# Altium PCB altium_PCB.PcbDoc
Units mm, origin at the board's own origin, x right, y up, seen from the top; angles counter-clockwise.
Board outline 97.16 x 99.31 mm, 2 copper layers (Top Layer, Bottom Layer); 25 components, 15 nets, 135 pads, 2 vias.
Unrouted connection lines stored in the file: 1.
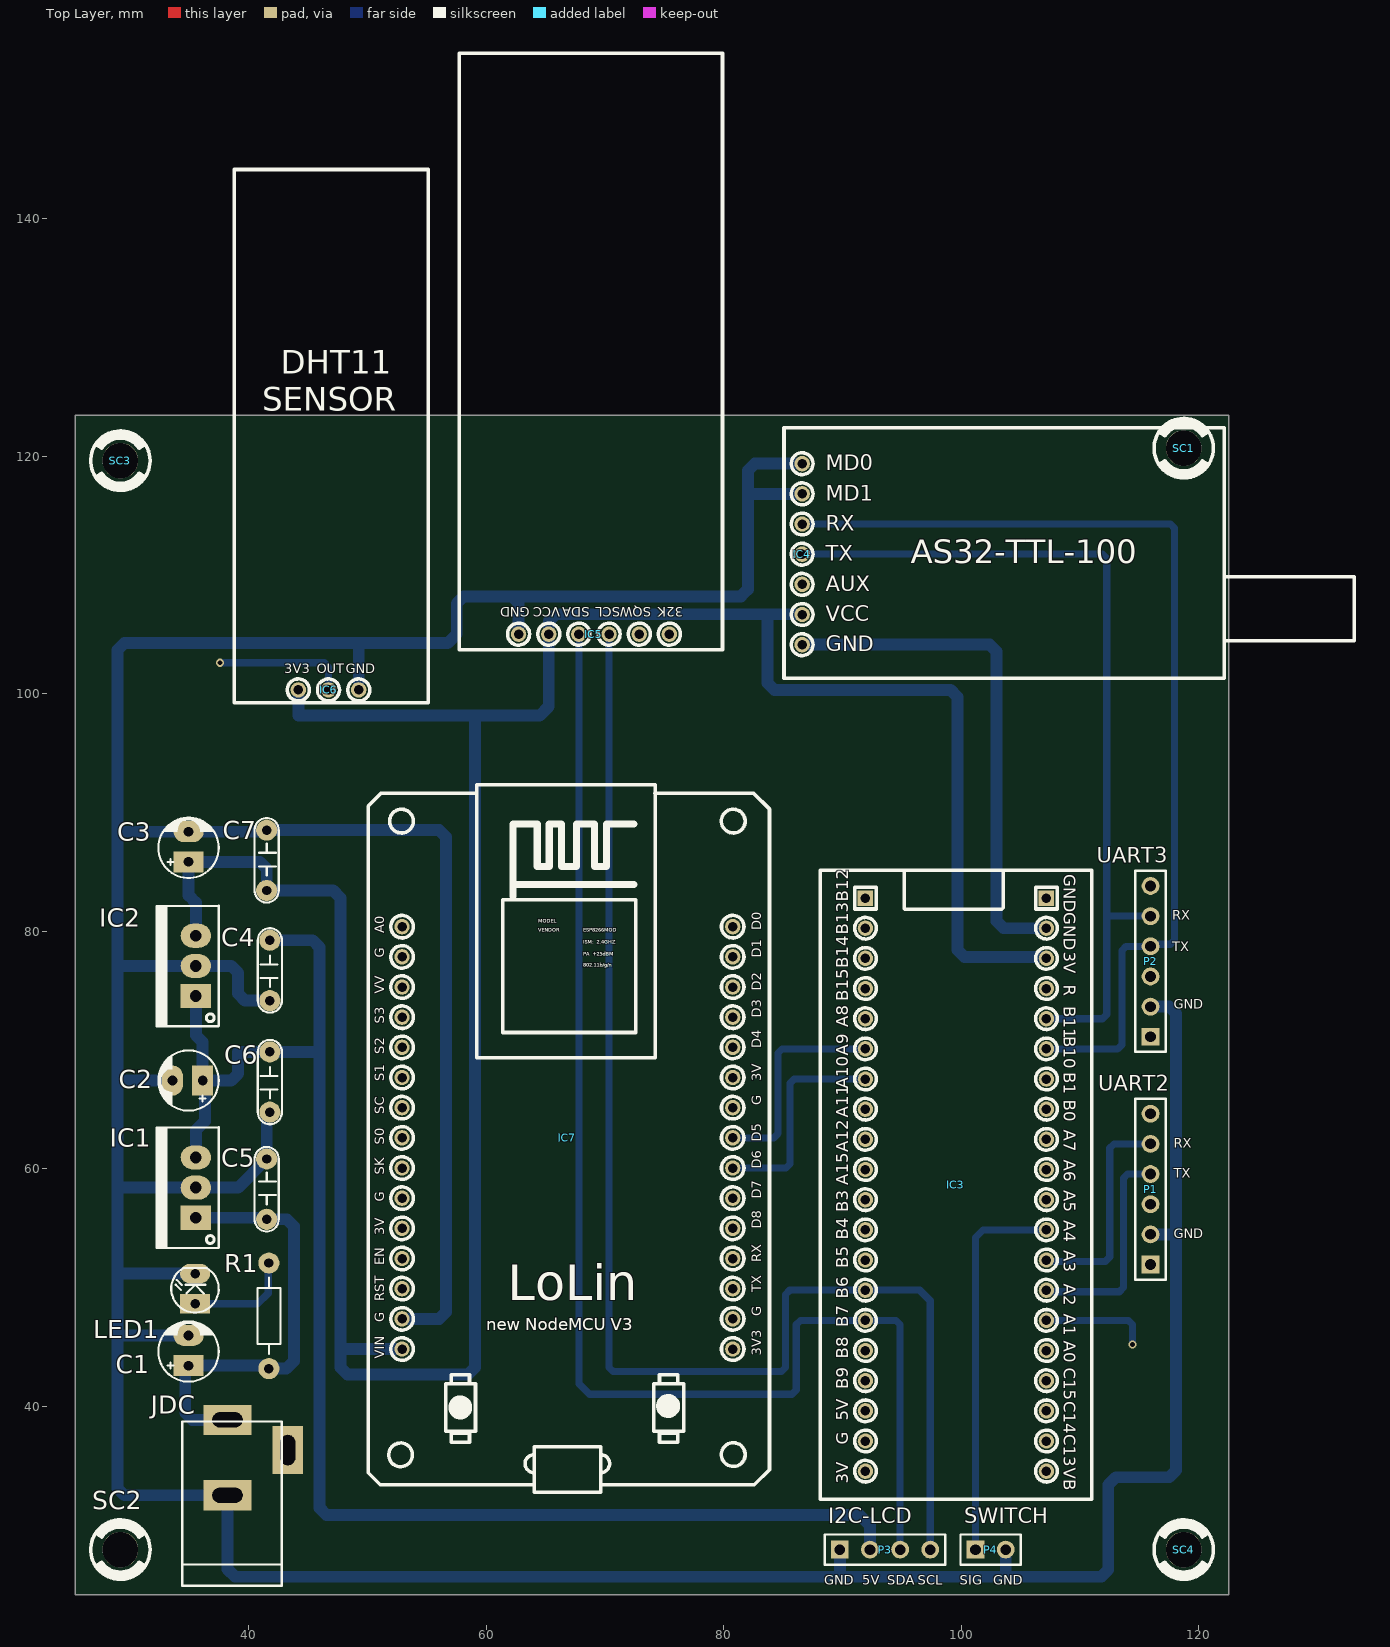
[diagram p0: Top Layer view]
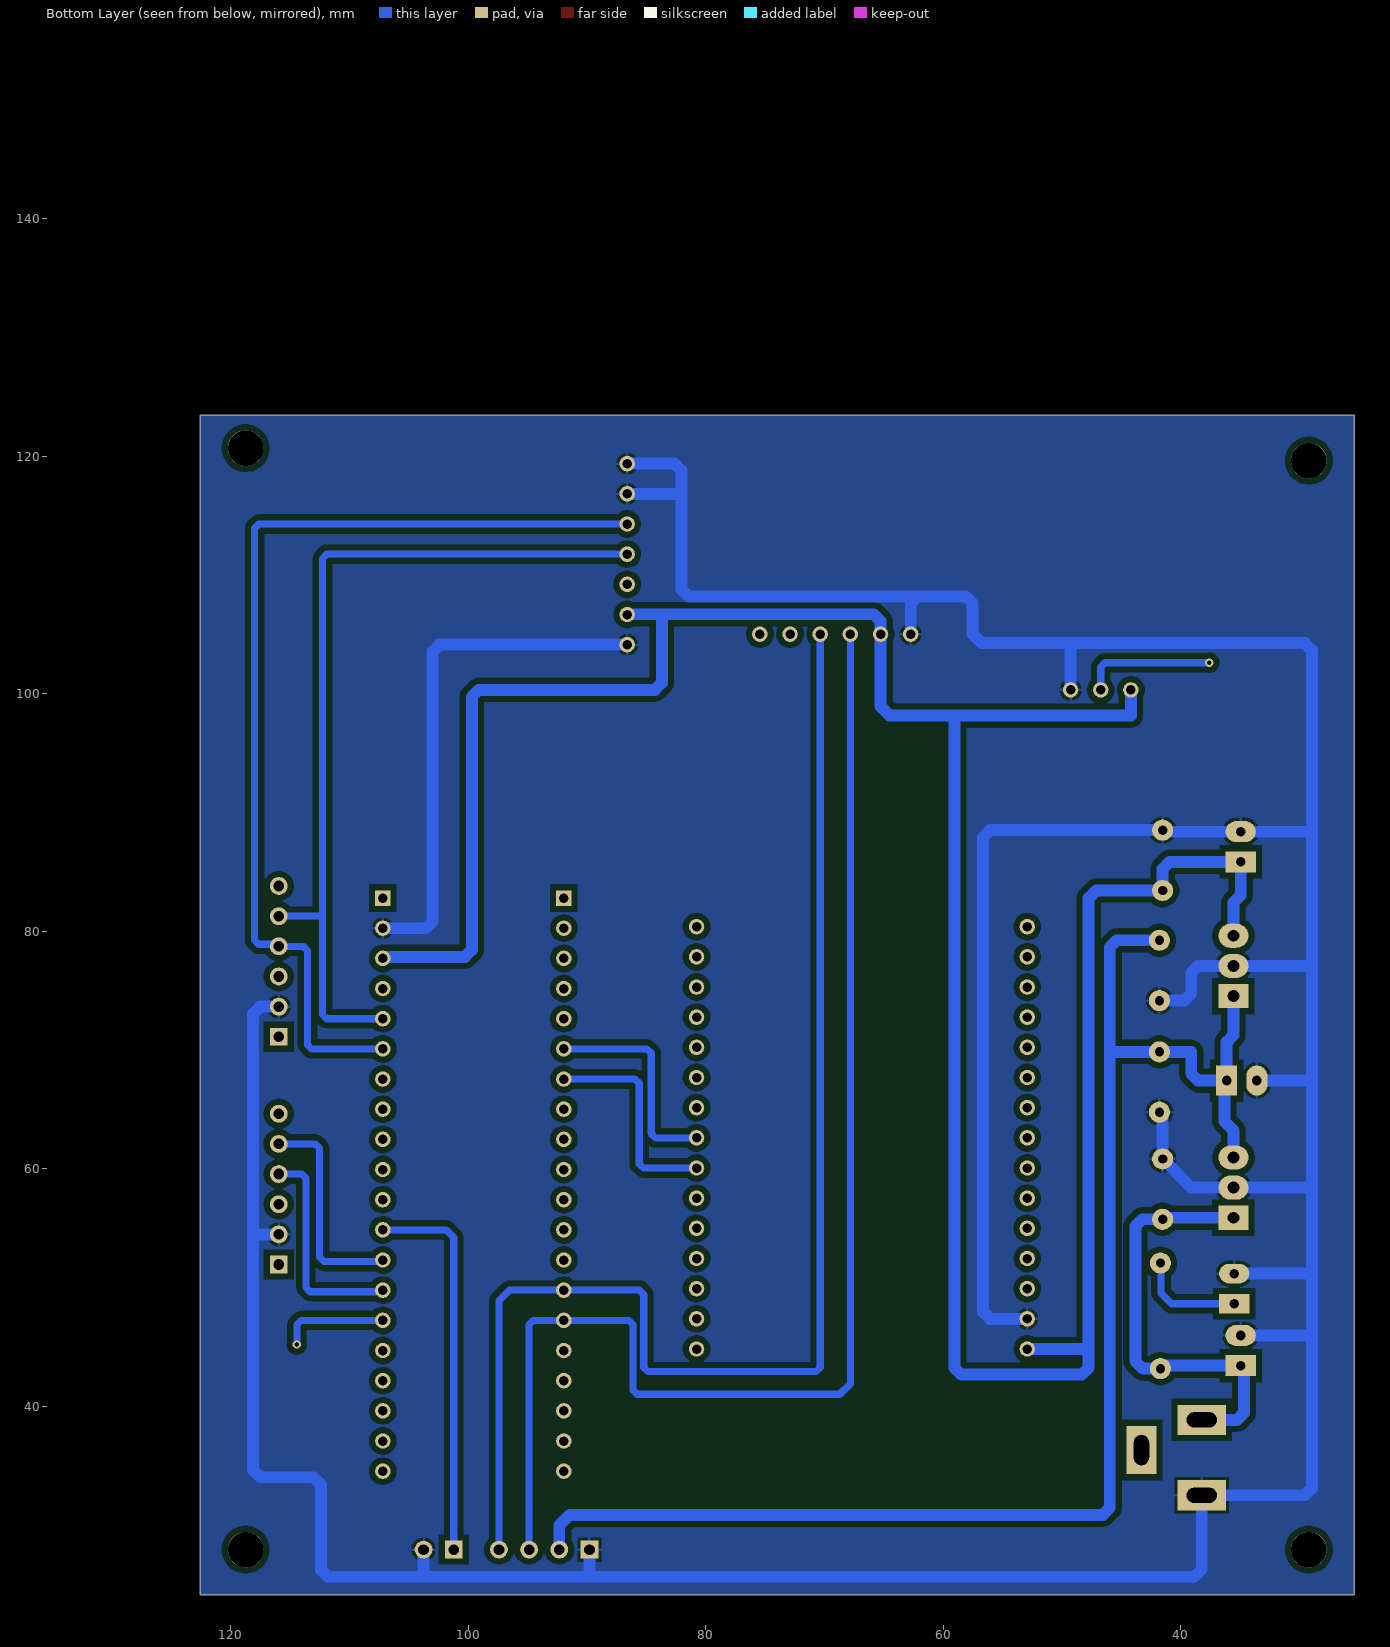
[diagram p1: Bottom Layer view, seen from below]

## Layer stack, top to bottom
Top Solder: solder mask 0.0102, Solder Resist, Dk 3.5
Top Layer: signal copper 0.0356
Dielectric 1: dielectric 0.32, FR-4, Dk 4.8
Bottom Layer: signal copper 0.0356
Bottom Solder: solder mask 0.0102, Solder Resist, Dk 3.5

## Board outline
25.4,24.13 122.555,24.13 122.555,123.444 25.4,123.444

## Design rules (kind name [scope] priority, off if disabled: settings)
Clearance Power [InNetClass('Power')] p1: gap=0.5 ignorepadtopadclearanceinfootprint=FALSE
Clearance [All] p2: gap=0.3 ignorepadtopadclearanceinfootprint=FALSE
PolygonConnect [All] p1: connectstyle=Relief reliefconductorwidth=0.254 reliefentries=4 polygonreliefangle="90 Angle" airgapwidth=0.254
RoutingVias RoutingVias_1 [InNetClass('Power')] p1: holewidth=0.711 width=1.27 viastyle="Through Hole" minholewidth=0.711 minwidth=1.27 maxholewidth=0.711 maxwidth=1.27
RoutingVias [All] p2: holewidth=0.4 width=0.7 viastyle="Through Hole" minholewidth=0.4 minwidth=0.7 maxholewidth=0.4 maxwidth=0.7
SolderMaskExpansion [All] p1: expansion=0.102 istentingtop=FALSE
Width Width_1 [InNetClass('Power')] p1: maxlimit=1 minlimit=0.5 preferedwidth=0.8
Width [All] p2: maxlimit=0.6 minlimit=0.3 preferedwidth=0.5
30 further rules are at their usual default settings.

## Classes and differential pairs
net class Power: 3V3 5V 12V GND

## Components (designator, comment, footprint, x,y, rotation, side; value= is the part's Value field where it differs from the comment)
C1 "10uF" CP1/2 34.95,43.434 r90 top value=10uF/50V
C2 "10uF" CP1/2 36.134,67.437 r180 top value=10uF/50V
C3 "10uF" CP1/2 34.95,85.852 r90 top value=10uF/50V
C4 "104" CN2 41.793,74.168 r90 top value=0.1uF
C5 "104" CN2 41.529,60.833 r270 top value=0.1uF
C6 "104" CN2 41.793,64.77 r90 top value=0.1uF
C7 "104" CN2 41.529,88.519 r270 top value=0.1uF
IC1 "LM7805" QTO-220 35.56,55.88 r90 top
IC2 "LM7805" QTO-220 35.56,74.549 r90 top
IC3 "STM32F103C8T6" STM32_BLUEPILL 107.188,82.804 r270 top
IC4 "AS32 Lora" LORA 86.614,119.38 r270 top locked
IC5 "DS3231" DS3231 75.438,105.029 r180 top
IC6 "DHT11" DHT11 44.196,100.33 r0 top
IC7 "ESP8266" ESP8266 52.923,44.831 r90 top
JDC "Jac DC" DC-IN 40.767,35.687 r90 top
LED1 "LED" LED-3 35.499,48.641 r90 top value="LED 3 ly Single Colour"
P1 "UART" HDR1X6 115.951,51.943 r90 top
P2 "UART" HDR1X6 115.951,71.12 r90 top
P3 "I2C-LCD" HDR1X4 89.789,27.94 r0 top
P4 "SW" HDR1X2 101.219,27.94 r0 top
R1 "1k" R1/4W 41.71,52.07 r270 top value="R1/4W - 1K"
SC1 "Screw" "Screw 3 small" 118.745,120.684 r0 top
SC2 "Screw" "Screw 3 small" 29.21,27.94 r0 top
SC3 "Screw" "Screw 3 small" 29.21,119.634 r0 top
SC4 "Screw" "Screw 3 small" 118.745,27.94 r0 top

## Footprints (in the part's own frame and the unit in brackets; to place one, negate y for a bottom-side part, rotate by r counter-clockwise, add the part's x,y. Pads: shape width x height; smd on the part's side, far side on the other; paste and mask are expansions set on the pad)
CN2 [mil]
  round 70 hole 31: 1(0,0) 2(200,0)
  silkscreen extent -40,-40 240,40, body extent -54,-44 260,55, height 407
CP1/2 [mil] "Tu hoa < 22uF/16>50V"
  rect 70x100 hole 32: 1(0,0)
  oval 70x100 hole 32: 2(100,0)
  silkscreen extent -53,-100 146,100, body extent -49,-99 149,99, height 287
DC-IN [mil] "Jac DC input"
  rect 100x160 hole 50 slot 100 at 90 deg: 1(125,100) 2(-125,100)
  rect 160x100 hole 50 slot 100 at 0 deg: 3(25,-100)
  silkscreen extent -425,-80 120,250, body extent -410,-105 134,269, height 434
DHT11 [mm] "Sensor"
  round 1.3 hole 0.8 mask+0.1: 1(0,0) 2(2.54,0) 3(5.08,0)
  silkscreen extent -5.41,-1.07 10.94,43.82, body extent -3.9,-2.53 10.6,5.99, height 39.25
DS3231 [mm] "RTC Timer"
  round 1.3 hole 0.8 mask+0.1: 1(0,0) 2(2.54,0) 3(5.08,0) 4(7.62,0) 5(10.16,0) 6(12.7,0)
  silkscreen extent -4.47,-48.92 17.7,1.33, body extent -5.24,-1.33 16.62,14.03, height 47.3
ESP8266 [mm] "Integrated_Board"
  round 1.3 hole 0.8 mask+0.1: 1(0,0) 2(2.54,0) 3(5.08,0) 4(7.62,0) 5(10.16,0) 6(12.7,0) 7(15.24,0) 8(17.78,0) 9(20.32,0) 10(22.86,0) 11(25.4,0) 12(27.94,0) 13(30.48,0) 14(33.02,0) 15(35.56,0) 16(35.56,-27.849) 17(33.02,-27.849) 18(30.48,-27.849) 19(27.94,-27.849) 20(25.4,-27.849) 21(22.86,-27.849) 22(20.32,-27.849) 23(17.78,-27.849) 24(15.24,-27.849) 25(12.7,-27.849) 26(10.16,-27.849) 27(7.62,-27.849) 28(5.08,-27.849) 29(2.54,-27.849) 30(0,-27.849)
  silkscreen extent -12.05,-30.94 47.51,2.84, body extent -12.71,-29.69 47.27,1.81, height 15.6
HDR1X2 [mm] "Connector; Header; 2 Position"
  rect 1.5x1.5 hole 0.9: 1(0,0)
  round 1.5 hole 0.9: 2(2.54,0)
  silkscreen extent -1.27,-1.27 3.81,1.27, body extent -1.27,-1.27 3.81,1.27, height 7
HDR1X4 [mm] "Connector; Header; 4 Position"
  rect 1.5x1.5 hole 0.9: 1(0,0)
  round 1.5 hole 0.9: 2(2.54,0) 3(5.08,0) 4(7.62,0)
  silkscreen extent -1.27,-1.27 8.89,1.27, body extent -1.27,-1.27 8.89,1.27, height 7
HDR1X6 [mm] "Connector; Header; 6 Position"
  rect 1.5x1.5 hole 0.9: 1(0,0)
  round 1.5 hole 0.9: 2(2.54,0) 3(5.08,0) 4(7.62,0) 5(10.16,0) 6(12.7,0)
  silkscreen extent -1.27,-1.27 13.97,1.27, body extent -1.27,-1.27 13.97,1.27, height 7
LED-3 [mil] "LED 2 PIN, 3ly Only colour"
  rect 65x100 hole 32: 1(0,0)
  oval 65x100 hole 32: 2(100,0)
  silkscreen extent -29,-78 118,79, body extent -13,-75 125,75, height 217
LORA [mm]
  round 1.3 hole 0.8 mask+0.1: 1(0,0) 2(2.54,0) 3(5.08,0) 4(7.62,0) 5(10.16,0) 6(12.7,0) 7(15.24,0)
  silkscreen extent -3.01,-1.52 18.07,46.48, body extent -2.78,-1.48 18.22,47.02, height 16.1
QTO-220 [mil] "TO-220 - 1-2-3"
  rect 80x100 hole 39: 1(0,0)
  oval 80x100 hole 39: 2(100,0) 3(200,0)
  silkscreen extent -100,-76 300,130, body extent -119,-64 322,121, height 755
R1/4W [mil] "R 1/4W, 2 Pin, 350mil"
  round 70 hole 31: 1(0,0) 2(350,0)
  silkscreen extent 48,-38 302,38, body extent -40,-47 386,47, height 111
"Screw 3 small" [mm] "Hole 3mm, outline 5mm"
  round 3 hole 3 mask+0.1: 1(0,0)
  silkscreen extent -2.5,-2.5 2.5,2.5, body extent -2.5,-2.5 2.5,2.5, height 1.73
STM32_BLUEPILL [mm]
  rect 1.3x1.3 hole 0.8 mask+0.102: 1(0,0) 40(0,-15.24)
  round 1.3 hole 0.8 mask+0.102: 2(2.54,0) 3(5.08,0) 4(7.62,0) 5(10.16,0) 6(12.7,0) 7(15.24,0) 8(17.78,0) 9(20.32,0) 10(22.86,0) 11(25.4,0) 12(27.94,0) 13(30.48,0) 14(33.02,0) 15(35.56,0) 16(38.1,0) 17(40.64,0) 18(43.18,0) 19(45.72,0) 20(48.26,0) 21(48.26,-15.24) 22(45.72,-15.24) 23(43.18,-15.24) 24(40.64,-15.24) 25(38.1,-15.24) 26(35.56,-15.24) 27(33.02,-15.24) 28(30.48,-15.24) 29(27.94,-15.24) 30(25.4,-15.24) 31(22.86,-15.24) 32(20.32,-15.24) 33(17.78,-15.24) 34(15.24,-15.24) 35(12.7,-15.24) 36(10.16,-15.24) 37(7.62,-15.24) 38(5.08,-15.24) 39(2.54,-15.24)
  silkscreen extent -2.35,-19.05 50.61,3.81, body extent -2.25,-19.12 50.75,3.48, height 23.1

## Part data
C1 C2 C3: library part CP1, "Cap P  0,1uF < 22uF , 16 - 50V", Description 1="10 => 220uF/6,3V/10V - 10uF => 100uF/16V", Description 2="0,1uF => 33uF/50V - 10uF => 22uF/63V", Description 3="0,47uF => 10uF/100V"
C4 C5 C6 C7: library part CN2, "Cap np 104 => 105pF"
IC1 IC2: library part LM78xx, "On ap +, from + 5 to + 24VDC"
IC3: library part STM32_BLUEPILL
IC4: library part LORA
JDC: library part DCIN, "Jac DC input"
LED1: "LED Single colour Green and Red"
P1 P2: library part "Header 6", "Header, 6-Pin", LatestRevisionDate=17-Jul-2002, LatestRevisionNote="Re-released for DXP Platform.", Publisher="Altium Limited"
P3: library part "Header 4", "Header, 4-Pin", LatestRevisionDate=17-Jul-2002, LatestRevisionNote="Re-released for DXP Platform.", Publisher="Altium Limited"
P4: library part "Header 2", "Header, 2-Pin", LatestRevisionDate=17-Jul-2002, LatestRevisionNote="Re-released for DXP Platform.", Publisher="Altium Limited"
R1: library part R, "Resistor 1/4W"
SC1 SC2 SC3 SC4: library part "screw 3 small"

## Via types
v1: diameter 0.7, hole 0.4, Top Layer to Bottom Layer, 2 vias

## Nets (pads, with @x,y where several pads share a name; then routed paths per layer and width w, separated by ;. In a path a pad name is that pad's centre, name@x,y a point inside that pad or via, vN(x,y) a via of type N, cw(c..) or ccw(c..) an arc to the next point about the centre after c; other vN are vias at no path point)
3V3: C3.1 C7.2 IC2.3 IC3.3 IC4.6 IC5.5 IC6.1 IC7.1 | length 236.1
  Bottom Layer w1: IC2.3 35.56,82.423 34.95,83.033 C3.1 40.943,85.852 41.529,85.266 C7.2 47.117,83.439 47.752,82.804 47.752,45.417 47.752,43.258 48.338,42.672 58.469,42.672 59.055,43.258 59.055,98.171 ; IC6.1 44.196,98.171 59.055,98.171 ; 48.338,44.831 IC7.1 ; IC4.6 86.59,106.704 83.693,106.704 ; IC3.3 107.131,77.781 106.918,77.781 106.849,77.851 100.281,77.851 99.695,78.437 99.695,99.744 99.109,100.33 84.279,100.33 83.693,100.916 83.693,106.704 ; 59.055,98.171 64.516,98.171 65.278,98.933 65.278,106.118 65.864,106.704 83.693,106.704
5V: C2.1 C4.2 C6.2 IC1.3 IC2.1 P3.2 | length 126.9
  Bottom Layer w1: IC1.3 35.56,63.246 36.322,64.008 36.322,67.249 C2.1 ; IC2.1 35.56,71.247 36.134,70.673 C2.1 ; C4.2@41.793,79.111 C4.2 45.388,79.248 45.974,78.662 45.974,69.85 ; P3.2 92.329,29.972 91.44,30.861 46.56,30.861 45.974,31.447 45.974,69.85 ; C2.1 38.53,67.437 39.116,68.023 39.116,69.85 C6.2 45.974,69.85
12V: C1.1 C5.2 IC1.1 JDC.1 R1.2 | length 37
  Bottom Layer w1: IC1.1 41.402,55.88 C5.2 43.229,55.753 43.815,55.167 43.815,43.815 43.18,43.18 R1.2 41.499,43.18 41.245,43.434 C1.1 34.671,43.155 34.671,39.448 35.257,38.862 JDC.1
DHT11: IC3.15 IC6.2 | length 20.3
  Bottom Layer w0.6: v1(37.592,102.616) 46.385,102.616 46.736,102.265 IC6.2 ; IC3.15 114.076,47.244 114.427,46.893 v1(114.427,45.212)
GND: C1.2 C2.2 C3.2 C4.1 C5.1 C6.1 C7.1 IC1.2 IC2.2 IC3.2 IC4.1 IC4.2 IC4.7 IC5.6 IC6.3 IC7.2 JDC.2 LED1.2 P1.2 P2.2 P3.1 P4.2 | length 470.8
  Bottom Layer w1: 29.21,88.392 C3.2 41.402,88.392 C7.1 56.056,88.519 56.642,87.933 56.642,47.957 56.056,47.371 IC7.2 ; C2.2 28.956,67.437 ; C1.2 29.083,45.974 28.956,46.101 ; LED1.2 29.083,51.181 28.956,51.054 ; C6.1 41.793,64.559 41.529,64.296 C5.1 39.116,58.42 IC1.2 28.956,58.42 ; C4.1 39.702,74.168 39.116,74.754 39.116,76.503 38.53,77.089 IC2.2 29.083,77.089 28.956,76.962 ; IC6.3 49.276,104.267 ; IC5.6 62.738,107.618 62.152,108.204 ; 82.169,116.84 IC4.2 ; IC4.7 102.411,104.14 102.997,103.554 102.997,80.85 103.583,80.264 IC3.2 ; IC4.1 82.628,119.38 82.042,118.794 82.042,116.84 82.042,108.79 81.456,108.204 62.152,108.204 ; P3.1 89.789,25.781 89.662,25.654 ; P4.2 103.759,25.654 ; P1.2 118.11,54.483 ; P2.2 117.524,73.66 118.11,73.074 118.11,54.483 ; 28.956,46.101 28.956,51.054 ; 28.956,46.101 28.956,33.098 29.542,32.512 JDC.2 38.227,26.289 38.862,25.654 89.662,25.654 ; 28.956,51.054 28.956,58.42 ; 28.956,58.42 28.956,67.437 ; 28.956,67.437 28.956,76.962 ; 28.956,76.962 28.956,88.392 28.956,103.681 29.542,104.267 49.276,104.267 ; 49.276,104.267 56.769,104.267 57.531,105.029 57.531,107.618 58.117,108.204 62.152,108.204 ; 89.662,25.654 103.759,25.654 ; 103.759,25.654 111.809,25.654 112.395,26.24 112.395,33.401 113.03,34.036 117.524,34.036 118.11,34.622 118.11,54.483
I2C_SCL: IC3.27 IC5.3 P3.4 | length 116.7
  Bottom Layer w0.6: IC5.3 70.358,43.277 70.709,42.926 84.866,42.926 85.217,43.277 85.217,49.433 85.568,49.784 IC3.27 96.52,49.784 97.409,48.895 P3.4
I2C_SDA: IC3.26 IC5.4 P3.3 | length 115.4
  Bottom Layer w0.6: IC5.4 67.818,41.91 68.707,41.021 85.766,41.021 86.117,41.372 86.117,46.893 86.468,47.244 94.518,47.244 94.869,46.893 P3.3
NetLED1_1: LED1.1 R1.1 | length 9.1
  Bottom Layer w0.6: LED1.1 40.767,48.641 41.656,49.53 41.656,52.016 R1.1
SW: IC3.12 P4.1 | length 32.5
  Bottom Layer w0.6: P4.1 101.219,54.229 101.854,54.864 IC3.12
UART1_RX: IC3.34 IC7.24 | length 18.3
  Bottom Layer w0.6: IC7.24 85.247,60.071 85.598,60.422 85.598,67.213 85.949,67.564 IC3.34
UART1_TX: IC3.35 IC7.23 | length 18.3
  Bottom Layer w0.6: IC7.23 84.231,62.611 84.582,62.962 84.582,69.753 84.933,70.104 IC3.35
UART2_RX: IC3.13 P1.5 | length 18.3
  Bottom Layer w0.6: IC3.13 107.315,52.197 112.141,52.197 112.522,52.578 112.522,61.752 112.873,62.103 P1.5
UART2_TX: IC3.14 P1.4 | length 18.3
  Bottom Layer w0.6: IC3.14 107.315,49.657 113.314,49.657 113.665,50.008 113.665,59.212 114.016,59.563 P1.4
UART3_RX: IC3.5 IC4.4 P2.5 | length 73.1
  Bottom Layer w0.6: IC4.4 111.917,111.76 112.268,111.409 112.268,81.28 ; IC3.5 111.917,72.644 112.268,72.995 112.268,81.28 ; P2.5 112.268,81.28
UART3_TX: IC3.6 IC4.3 P2.4 | length 85.4
  Bottom Layer w0.6: IC4.3 117.632,114.3 117.983,113.949 117.983,79.264 117.632,78.912 116.123,78.912 P2.4 113.889,78.74 113.538,78.389 113.538,70.455 113.187,70.104 IC3.6
pads on no net: IC3.1 IC3.4 IC3.7 IC3.8 IC3.9 IC3.10 IC3.11 IC3.16 IC3.17 IC3.18 IC3.19 IC3.20 IC3.21 IC3.22 IC3.23 IC3.24 IC3.25 IC3.28 IC3.29 IC3.30 IC3.31 IC3.32 IC3.33 IC3.36 IC3.37 IC3.38 IC3.39 IC3.40 IC4.5 IC5.1 IC5.2 IC7.3 IC7.4 IC7.5 IC7.6 IC7.7 IC7.8 IC7.9 IC7.10 IC7.11 IC7.12 IC7.13 IC7.14 IC7.15 IC7.16 IC7.17 IC7.18 IC7.19 IC7.20 IC7.21 IC7.22 IC7.25 IC7.26 IC7.27 IC7.28 IC7.29 IC7.30 JDC.3 P1.1 P1.3 P1.6 P2.1 P2.3 P2.6 SC1.1 SC2.1 SC3.1 SC4.1

## Polygon pours and split planes (outlines as drawn)
GND on Bottom Layer "GND_L02_P000" (solid, remove dead copper, pour order 0): 25.4,123.444 122.555,123.444 122.555,24.13 25.4,24.13

## Silkscreen, mask and mechanical layers (free items; w line width, h text height)
Top Overlay:
  text "UART3" at 111.425,85.771 h1.3
  text "RX" at 117.802,80.972 h0.8
  text "TX" at 117.802,78.305 h0.8
  text "GND" at 117.929,73.479 h0.8
  text "UART2" at 111.552,66.594 h1.3
  text "RX" at 117.929,61.795 h0.8
  text "TX" at 117.929,59.255 h0.8
  text "GND" at 117.929,54.175 h0.8
  text "I2C-LCD" at 88.819,30.145 h1.3
  text "SWITCH" at 100.249,30.145 h1.3
  text "GND" at 88.465,24.965 h0.8
  text "5V" at 91.663,24.965 h0.8
  text "SDA" at 93.803,24.965 h0.8
  text "SCL" at 96.343,24.965 h0.8
  text "SIG" at 99.895,24.965 h0.8
  text "GND" at 102.689,24.965 h0.8
Mechanical 4:
  lines w0.254: 20.955,25.613 21.463,24.089 ; 20.955,122.006 21.463,123.53 ; 21.209,24.089 21.717,24.089 ; 21.209,123.53 21.717,123.53 ; 21.463,65.913 21.463,24.089 ; 21.463,81.707 21.463,123.53 ; 21.971,25.613 21.463,24.089 ; 21.971,122.006 21.463,123.53 ; 25.258,21.387 25.258,21.895 ; 26.782,21.133 25.258,21.641 ; 26.782,22.149 25.258,21.641 ; 65.938,21.641 25.258,21.641 ; 81.732,21.641 122.413,21.641 ; 120.889,21.133 122.413,21.641 ; 120.889,22.149 122.413,21.641 ; 122.413,21.387 122.413,21.895
  text "99.441 (mm)" at 22.377,66.167 h1.52 r90
  text "97.155 (mm)" at 66.192,20.726 h1.52

## Text inside footprints (layer, text, board x,y; h text height)
IC3: Top Overlay "B12" at 90.478,82.496 h1 r90; Top Overlay "B13" at 90.478,79.702 h1 r90; Top Overlay "B14" at 90.478,76.908 h1 r90; Top Overlay "B15" at 90.478,74.114 h1 r90; Top Overlay "A8" at 90.478,71.932 h1 r90; Top Overlay "A9" at 90.478,69.542 h1 r90; Top Overlay "A10" at 90.478,66.748 h1 r90; Top Overlay "A12" at 90.478,61.414 h1 r90; Top Overlay "A15" at 90.478,58.62 h1 r90; Top Overlay "B3" at 90.478,56.334 h1 r90; Top Overlay "B4" at 90.478,54.048 h1 r90; Top Overlay "B5" at 90.478,51.612 h1 r90; Top Overlay "B6" at 90.478,49.072 h1 r90; Top Overlay "B7" at 90.478,46.682 h1 r90; Top Overlay "B8" at 90.478,43.992 h1 r90; Top Overlay "B9" at 90.478,41.452 h1 r90; Top Overlay "5V" at 90.478,38.808 h1 r90; Top Overlay "G" at 90.478,36.776 h1 r90; Top Overlay "VB" at 108.658,34.852 h1 r270; Top Overlay "C13" at 108.658,37.646 h1 r270; Top Overlay "C14" at 108.658,40.44 h1 r270; Top Overlay "C15" at 108.658,43.234 h1 r270; Top Overlay "A0" at 108.658,45.52 h1 r270; Top Overlay "A1" at 108.658,47.806 h1 r270; Top Overlay "A2" at 108.658,50.346 h1 r270; Top Overlay "A3" at 108.658,53.14 h1 r270; Top Overlay "A7" at 108.658,63.3 h1 r270; Top Overlay "A5" at 108.658,58.22 h1 r270; Top Overlay "A4" at 108.658,55.68 h1 r270; Top Overlay "A6" at 108.658,60.76 h1 r270; Top Overlay "B0" at 108.658,65.84 h1 r270; Top Overlay "B1" at 108.658,68.126 h1 r270; Top Overlay "B10" at 108.658,71.174 h1 r270; Top Overlay "B11" at 108.658,73.714 h1 r270; Top Overlay "R" at 108.658,75.492 h1 r270; Top Overlay "3V" at 108.658,78.286 h1 r270; Top Overlay "GND" at 108.658,81.588 h1 r270; Top Overlay "GND" at 108.658,84.824 h1 r270; Top Overlay "3V" at 90.478,33.474 h1 r90; Top Overlay "A11" at 90.478,64.312 h1 r90; Mechanical 2 "B6" at 91.978,49.614 h0.3 r90; Mechanical 2 "5V" at 91.978,39.444 h0.3 r90; Mechanical 2 "B7" at 91.978,47.134 h0.3 r90; Mechanical 2 "B8" at 91.978,44.494 h0.3 r90; Mechanical 2 "B9" at 91.978,42.004 h0.3 r90; Mechanical 2 "G" at 91.978,37.124 h0.3 r90; Mechanical 2 "3.3V" at 91.978,33.964 h0.3 r90; Mechanical 2 "B12" at 91.978,82.614 h0.3 r90; Mechanical 2 "B13" at 91.978,79.984 h0.3 r90; Mechanical 2 "B14" at 91.978,77.374 h0.3 r90; Mechanical 2 "B15" at 91.978,74.854 h0.3 r90; Mechanical 2 "A8" at 91.978,72.474 h0.3 r90; Mechanical 2 "A9" at 91.978,69.904 h0.3 r90; Mechanical 2 "A10" at 91.978,67.234 h0.3 r90; Mechanical 2 "A11" at 91.978,64.684 h0.3 r90; Mechanical 2 "A12" at 91.978,62.224 h0.3 r90; Mechanical 2 "A15" at 91.978,59.644 h0.3 r90; Mechanical 2 "B3" at 91.978,57.274 h0.3 r90; Mechanical 2 "B4" at 91.978,54.754 h0.3 r90; Mechanical 2 "B5" at 91.978,52.164 h0.3 r90; Mechanical 2 "A1" at 107.048,47.374 h0.3 r270; Mechanical 2 "B11" at 107.048,72.894 h0.3 r270; Mechanical 2 "B10" at 107.048,70.354 h0.3 r270; Mechanical 2 "B1" at 107.048,67.694 h0.3 r270; Mechanical 2 "B0" at 107.048,65.214 h0.3 r270; Mechanical 2 "A7" at 107.048,62.584 h0.3 r270; Mechanical 2 "A6" at 107.048,60.104 h0.3 r270; Mechanical 2 "A5" at 107.048,57.634 h0.3 r270; Mechanical 2 "A4" at 107.048,55.114 h0.3 r270; Mechanical 2 "A3" at 107.048,52.634 h0.3 r270; Mechanical 2 "A2" at 107.048,49.984 h0.3 r270; Mechanical 2 "A0" at 107.048,45.054 h0.3 r270; Mechanical 2 "C15" at 107.048,42.514 h0.3 r270; Mechanical 2 "C14" at 107.048,39.904 h0.3 r270; Mechanical 2 "C13" at 107.048,37.404 h0.3 r270; Mechanical 2 "VB" at 107.048,34.694 h0.3 r270; Mechanical 2 "GND" at 107.048,83.114 h0.3 r270; Mechanical 2 "R" at 107.048,75.184 h0.3 r270; Mechanical 2 "GND" at 107.048,80.644 h0.3 r270; Mechanical 2 "3.3V" at 107.048,78.184 h0.3 r270
IC4: Top Overlay "AS32-TTL-100" at 95.75,110.99 h2; Top Overlay "MD0" at 88.592,118.818 h1.3; Top Overlay "MD1" at 88.592,116.278 h1.3; Top Overlay "RX" at 88.592,113.738 h1.3; Top Overlay "TX" at 88.592,111.198 h1.3; Top Overlay "AUX" at 88.592,108.658 h1.3; Top Overlay "VCC" at 88.592,106.118 h1.3; Top Overlay "GND" at 88.592,103.578 h1.3; Mechanical 2 "MD0" at 88.592,118.818 h1.3; Mechanical 2 "MD1" at 88.592,116.278 h1.3; Mechanical 2 "RX" at 88.592,113.738 h1.3; Mechanical 2 "TX" at 88.592,111.198 h1.3; Mechanical 2 "AUX" at 88.592,108.658 h1.3; Mechanical 2 "VCC" at 88.592,106.118 h1.3; Mechanical 2 "GND" at 88.592,103.578 h1.3; Mechanical 2 "AS32-TTL-100" at 95.75,110.99 h2
IC5: Top Overlay "GND" at 63.698,107.279 h0.8 r180; Top Overlay "VCC" at 66.248,107.279 h0.8 r180; Top Overlay "SDA" at 68.718,107.279 h0.8 r180; Top Overlay "SCL" at 71.308,107.279 h0.8 r180; Top Overlay "SQW" at 73.908,107.279 h0.8 r180; Top Overlay "32K" at 76.618,107.279 h0.8 r180
IC6: Top Overlay "SENSOR" at 41.156,123.83 h2; Top Overlay "OUT" at 45.726,101.73 h0.8; Top Overlay "3V3" at 43.026,101.73 h0.8; Top Overlay "GND" at 48.196,101.73 h0.8; Mechanical 2 "SENSOR" at 41.176,123.76 h2; Mechanical 2 "OUT" at 45.726,101.73 h0.8; Mechanical 2 "3V3" at 43.026,101.73 h0.8; Mechanical 2 "GND" at 48.196,101.73 h0.8
IC7: Top Overlay "VIN" at 51.408,44.015 h0.8 r90; Top Overlay "G" at 51.408,47.063 h0.8 r90; Top Overlay "RST" at 51.408,48.841 h0.8 r90; Top Overlay "EN" at 51.408,51.889 h0.8 r90; Top Overlay "3V" at 51.408,54.429 h0.8 r90; Top Overlay "G" at 51.408,57.223 h0.8 r90; Top Overlay "SK" at 51.408,59.509 h0.8 r90; Top Overlay "S0" at 51.408,62.049 h0.8 r90; Top Overlay "SC" at 51.408,64.589 h0.8 r90; Top Overlay "S1" at 51.408,67.383 h0.8 r90; Top Overlay "S2" at 51.408,69.669 h0.8 r90; Top Overlay "S3" at 51.408,72.209 h0.8 r90; Top Overlay "VV" at 51.408,74.749 h0.8 r90; Top Overlay "G" at 51.408,77.797 h0.8 r90; Top Overlay "A0" at 51.408,79.829 h0.8 r90; Top Overlay "new NodeMCU V3" at 60.035,46.401 h1; Top Overlay "LoLin" at 61.813,48.941 h3; Top Overlay "802.11b/g/n" at 68.197,77.015 h0.3; Top Overlay "PA  +25dBM" at 68.198,77.931 h0.3; Top Overlay "ISM:  2.4GHZ" at 68.197,78.947 h0.3; Top Overlay "ESP8266MOD" at 68.198,79.963 h0.3; Top Overlay "VENDOR" at 64.388,79.963 h0.3; Top Overlay "MODEL" at 64.388,80.725 h0.3; Top Overlay "D1" at 83.158,77.797 h0.8 r90; Top Overlay "D3" at 83.158,72.717 h0.8 r90; Top Overlay "3V" at 83.158,67.383 h0.8 r90; Top Overlay "D5" at 83.157,62.303 h0.8 r90; Top Overlay "D7" at 83.157,57.477 h0.8 r90; Top Overlay "D8" at 83.157,54.937 h0.8 r90; Top Overlay "TX" at 83.157,49.603 h0.8 r90; Top Overlay "G" at 83.158,47.571 h0.8 r90; Top Overlay "new NodeMCU V3" at 60.035,46.401 h1; Top Overlay "LoLin" at 61.813,48.941 h3; Top Overlay "802.11b/g/n" at 68.197,77.015 h0.3; Top Overlay "PA  +25dBM" at 68.198,77.931 h0.3; Top Overlay "ISM:  2.4GHZ" at 68.197,78.947 h0.3; Top Overlay "ESP8266MOD" at 68.198,79.963 h0.3; Top Overlay "VENDOR" at 64.388,79.963 h0.3; Top Overlay "MODEL" at 64.388,80.725 h0.3; Top Overlay "D0" at 83.158,80.083 h0.8 r90; Top Overlay "D2" at 83.158,75.003 h0.8 r90; Top Overlay "D4" at 83.158,70.177 h0.8 r90; Top Overlay "G" at 83.158,65.351 h0.8 r90; Top Overlay "D6" at 83.157,60.017 h0.8 r90; Top Overlay "RX" at 83.157,52.143 h0.8 r90; Top Overlay "3V3" at 83.158,44.269 h0.8 r90; Mechanical 2 "TX" at 83.157,49.603 h0.8 r90; Mechanical 2 "G" at 83.158,47.571 h0.8 r90; Mechanical 2 "3V3" at 83.158,44.269 h0.8 r90; Mechanical 2 "RX" at 83.157,52.143 h0.8 r90; Mechanical 2 "D6" at 83.157,60.017 h0.8 r90; Mechanical 2 "D8" at 83.157,54.937 h0.8 r90; Mechanical 2 "D7" at 83.157,57.477 h0.8 r90; Mechanical 2 "new NodeMCU V3" at 60.035,46.401 h1; Mechanical 2 "new NodeMCU V3" at 60.035,46.401 h1; Mechanical 2 "LoLin" at 61.813,48.941 h3; Mechanical 2 "LoLin" at 61.813,48.941 h3; Mechanical 2 "RST" at 51.408,48.841 h0.8 r90; Mechanical 2 "EN" at 51.408,51.889 h0.8 r90; Mechanical 2 "3V" at 51.408,54.429 h0.8 r90; Mechanical 2 "G" at 51.408,57.223 h0.8 r90; Mechanical 2 "G" at 51.408,47.063 h0.8 r90; Mechanical 2 "VIN" at 51.408,44.015 h0.8 r90; Mechanical 2 "SK" at 51.408,59.509 h0.8 r90; Mechanical 2 "D4" at 83.158,70.177 h0.8 r90; Mechanical 2 "D2" at 83.158,75.003 h0.8 r90; Mechanical 2 "D3" at 83.158,72.717 h0.8 r90; Mechanical 2 "D5" at 83.157,62.303 h0.8 r90; Mechanical 2 "3V" at 83.158,67.383 h0.8 r90; Mechanical 2 "G" at 83.158,65.351 h0.8 r90; Mechanical 2 "D1" at 83.158,77.797 h0.8 r90; Mechanical 2 "ISM:  2.4GHZ" at 68.197,78.947 h0.3; Mechanical 2 "802.11b/g/n" at 68.197,77.015 h0.3; Mechanical 2 "802.11b/g/n" at 68.197,77.015 h0.3; Mechanical 2 "PA  +25dBM" at 68.198,77.931 h0.3; Mechanical 2 "PA  +25dBM" at 68.198,77.931 h0.3; Mechanical 2 "D0" at 83.158,80.083 h0.8 r90; Mechanical 2 "ISM:  2.4GHZ" at 68.197,78.947 h0.3; Mechanical 2 "ESP8266MOD" at 68.198,79.963 h0.3; Mechanical 2 "ESP8266MOD" at 68.198,79.963 h0.3; Mechanical 2 "VENDOR" at 64.388,79.963 h0.3; Mechanical 2 "VENDOR" at 64.388,79.963 h0.3; Mechanical 2 "MODEL" at 64.388,80.725 h0.3; Mechanical 2 "MODEL" at 64.388,80.725 h0.3; Mechanical 2 "S2" at 51.408,69.669 h0.8 r90; Mechanical 2 "S1" at 51.408,67.383 h0.8 r90; Mechanical 2 "SC" at 51.408,64.589 h0.8 r90; Mechanical 2 "S0" at 51.408,62.049 h0.8 r90; Mechanical 2 "S3" at 51.408,72.209 h0.8 r90; Mechanical 2 "G" at 51.408,77.797 h0.8 r90; Mechanical 2 "VV" at 51.408,74.749 h0.8 r90; Mechanical 2 "A0" at 51.408,79.829 h0.8 r90